# KiCad board st225_20427.kicad_pcb (continued)
## Routing (per net, layer and track width the routed paths; a pad name or vN(x,y) marks a point on that pad's centre or on a via; arc(x,y) is an arc through that point) (continued)
/Analog and Interface/RDDATA: length 162.3
  Top w0.254: v1(23.62,135.38) 23.62,134.75 24.51,133.86 U24.11 ; v1(105.54,118.24) 104.39,118.24 101.85,120.78 100.33,120.78 ; v1(51.31,135.38) 50.29,135.38 50.16,135.25 44.2,135.25 v1(42.93,133.99) ; U25.6 131.7,130.94 v1(132.97,129.67) ; JP1.1 121.67,118.24 118.75,118.24 v1(118.36,117.86) ; U8.17 100.33,120.78 ; 100.33,120.78 100.33,123.95 98.55,125.73 v1(94.36,125.73)
  Bottom w0.254: v1(105.54,118.24) 105.66,118.11 117.6,118.11 117.86,117.86 v1(118.36,117.86) ; v1(42.93,133.99) 42.42,133.99 40.89,135.51 40.89,135.64 40.01,136.53 37.72,136.53 35.81,134.62 31.5,134.62 30.1,133.22 28.19,133.22 26.8,134.62 26.8,136.02 26.16,136.65 24.89,136.65 v1(23.62,135.38) ; 122.05,118.75 123.19,117.6 125.73,117.6 129.03,120.9 129.03,123.83 131.57,126.37 133.48,126.37 134.11,127 134.11,128.52 v1(132.97,129.67) ; v1(51.31,135.38) 51.31,133.99 52.07,133.22 53.09,133.22 54.23,132.08 55.12,132.08 55.5,131.7 55.5,130.68 54.99,130.18 54.99,128.52 56.51,127 61.72,127 62.48,126.24 62.48,124.21 68.07,118.62 71.25,118.62 74.29,121.67 86.36,121.67 91.69,116.33 92.84,116.33 95.88,119.38 95.88,124.97 95.12,125.73 v1(94.36,125.73)
/Analog and Interface/RGATE: length 39.1
  Top w0.254: v1(117.86,144.91) 116.59,144.91 115.44,146.05 113.03,146.05 109.29,142.31 U31.10 ; U9.14 100.33,157.73 v1(99.31,158.75)
  Bottom w0.254: v1(99.31,158.75) 100.46,157.61 103.25,157.61 106.55,154.31 109.09,154.31 117.86,145.54 v1(117.86,144.91)
/Analog and Interface/RPULL4: length 36.5
  Top w0.254: v1(117.09,133.99) 118.36,135.25 R79.2 ; 110.11,142.11 112.78,144.78 115.32,144.78 v1(115.19,144.78) ; 110.11,142.11 109.09,141.1 108.24,141.1 ; 110.11,142.11 112.39,139.83 ; U31.5 113.32,139.83 112.39,139.83 ; 112.39,139.83 111.25,139.83 109.98,138.56 109.98,136.27 111.56,134.69 U31.1
  Bottom w0.254: v1(115.19,144.78) 114.17,143.76 114.17,136.91 v1(117.09,133.99)
/Analog and Interface/RPULLUP3: length 30.3
  Top w0.254: 107.19,125.73 U30.13 110.36,125.73 111.63,124.46 U30.1 ; 107.19,125.73 107.19,129.41 107.31,129.54 U30.10 ; 107.19,125.73 107.19,120.68 R78.1 ; U30.1 113.41,124.46 115.06,126.11 115.06,128.02 v1(114.81,128.27) U30.4 ; U30.1 113.24,124.12 117.86,120.9 U29.3
/Analog and Interface/SEP_DATA: length 17.5
  Top w0.254: U8.22 105.16,124.84 v1(105.66,125.35) ; v1(111.25,131.44) 111.25,130.43 112.14,129.54 U30.5
  Bottom w0.254: v1(105.66,125.35) 104.27,126.75 104.27,127.51 108.2,131.44 v1(111.25,131.44)
/Analog and Interface/SEPCLK: length 7.5
  Top w0.254: U30.9 107.57,130.81 105.79,129.03 v1(105.79,127.38) U8.24
/Analog and Interface/SYNC_DATA: length 54.4
  Top w0.254: U30.12 110.49,127 111.12,126.37 v1(111.38,126.37) 112.01,125.73 U30.2 ; U9.12 103,153.42 104.27,152.15 v1(104.27,151.77) ; v1(118.75,128.91) 118.11,129.54 U26.10
  Bottom w0.254: 112.78,127.64 112.78,127.89 114.43,129.54 115.44,129.54 116.2,130.3 116.2,133.22 113.41,136.02 113.41,146.18 111.63,147.96 105.79,147.96 104.27,149.48 v1(104.27,151.77) ; 112.78,127.64 113.79,126.62 116.46,126.62 v1(118.75,128.91) ; 112.78,127.64 111.51,126.37 v1(111.38,126.37)
/Analog and Interface/U31_J: length 11.7
  Top w0.254: U26.8 118.11,132.08 v1(118.75,132.72) ; 113.24,136.02 114.05,136.02 115.19,137.16 v1(115.19,137.54)
  Bottom w0.254: v1(118.75,132.72) 118.75,135.51 116.71,137.54 v1(115.19,137.54)
/Analog and Interface/VCO: length 24.8
  Top w0.254: 113.37,138.5 112.09,138.5 v1(111.38,137.8) ; v1(101.6,148.08) 100.34,148.08 U9.8
  Bottom w0.254: v1(101.6,148.08) 101.98,148.46 104.27,148.46 105.66,147.07 111.38,147.07 112.78,145.67 112.78,138.68 111.89,137.8 v1(111.38,137.8)
/Analog and Interface/~{1S_RST}: length 93.7
  Top w0.254: v1(54.61,134.24) 52.45,136.4 49.78,136.4 49.4,136.02 v1(42.29,136.02) ; U24.8 28.32,135 v1(28.07,135.25) ; v1(92.33,117.86) 92.58,117.6 100.84,117.6 101.6,118.36 U8.18
  Bottom w0.254: v1(92.33,117.86) 87.38,122.81 73.79,122.81 70.61,119.63 68.45,119.63 63.42,124.66 63.42,126.95 62.36,128.02 57.02,128.02 56.26,128.78 56.26,130.05 56.77,130.56 56.77,132.21 54.74,134.24 v1(54.61,134.24) ; v1(28.07,135.25) 28.07,135.13 29.08,134.11 30.1,134.11 31.12,135.13 35.43,135.13 37.34,137.03 41.27,137.03 v1(42.29,136.02)
/Analog and Interface/~{LOCKDET}: length 72.6
  Top w0.254: U9.15 99.06,155.19 99.31,154.93 99.32,154.93 v1(99.95,154.31) ; U9.13 102.62,154.69 103.12,155.19 v1(103.12,156.34) ; v1(118.75,130.81) U26.9 116.46,130.81 116.08,130.43 116.08,125.98 116.33,125.73 U26.13 ; v1(106.93,149.23) 106.93,138.81 107.24,138.5 108.37,138.5 U31.14
  Bottom w0.254: v1(118.75,130.81) 121.28,130.81 121.67,131.19 121.67,133.48 116.46,138.68 116.46,145.8 113.03,149.23 109.35,149.23 ; 109.35,149.23 v1(106.93,149.23) ; 109.35,149.23 109.35,152.53 108.2,153.67 106.04,153.67 103.38,156.34 v1(103.12,156.34) 101.98,156.34 v1(99.95,154.31)
/Analog and Interface/~{MFMC}: length 89.1
  Top w0.254: v1(79.76,125.73) 79.76,117.6 79.12,116.97 77.85,116.97 76.58,118.24 76.45,118.24 ; v1(118.36,159.26) 118.24,159.39 U33.16
  Bottom w0.254: v1(79.76,125.73) 81.53,125.73 82.55,124.71 90.81,124.71 91.31,125.22 91.31,132.33 90.81,132.84 90.81,154.31 94.11,157.61 94.11,159.64 96.9,162.43 102.87,162.43 105.16,160.15 109.98,160.15 111,159.13 118.24,159.13 v1(118.36,159.26)
/Analog and Interface/~{RDDATA}: length 41.5
  Top w0.254: 131.15,129.67 130.56,129.67 129.16,131.06 v1(129.16,132.08) ; v1(120.9,137.8) 125.86,137.8 v1(127.13,136.53) ; U33.18 115.7,156.85 115.06,156.21 115.06,156.08 v1(114.55,155.58) 114.17,155.19 112.29,155.19 R6.1
  Bottom w0.254: v1(127.13,136.53) 129.16,134.49 v1(129.16,132.08) ; v1(120.9,137.8) 120.9,144.15 114.55,150.5 v1(114.55,155.58)
/Analog and Interface/~{WGATE2}: length 43.6
  Top w0.254: U33.23 123.19,156.21 121.92,157.48 v1(118.36,157.48) ; v1(124.08,125.98) 125.22,127.13 U25.12
  Bottom w0.254: v1(118.36,157.48) 118.36,147.83 121.54,144.65 121.54,139.06 125.22,135.38 125.22,127.13 v1(124.08,125.98)
/Digital and Stepper/A0: length 28.9
  Top w0.254: U3.10 20.7,99.19 v1(19.18,100.71) ; v1(14.35,85.22) U2.2
  Bottom w0.254: v1(14.35,85.22) 13.21,86.36 13.21,100.84 13.72,101.35 18.54,101.35 v1(19.18,100.71)
/Digital and Stepper/A1: length 27.6
  Top w0.254: v1(19.43,98.55) U3.9 ; U2.5 18.16,85.47 v1(17.4,86.23)
  Bottom w0.254: v1(17.4,86.23) 17.02,86.23 13.72,89.54 13.72,100.2 14.35,100.84 17.27,100.84 19.43,98.68 v1(19.43,98.55)
/Digital and Stepper/A2: length 25.8
  Top w0.254: U3.8 18.16,98.04 v1(17.59,98.62) ; v1(19.43,86.23) U2.6
  Bottom w0.254: v1(19.43,86.23) 17.4,88.27 15.88,88.27 14.22,89.92 14.22,99.82 14.78,100.38 15.82,100.38 v1(17.59,98.62)
/Digital and Stepper/A3: length 23.2
  Top w0.254: v1(15.62,98.55) 16.89,97.28 U3.7 ; v1(23.24,85.22) 23.24,83.44
  Bottom w0.254: v1(15.62,98.55) 15.24,98.17 15.24,94.74 14.86,94.36 14.86,90.17 15.75,89.28 18.92,89.28 22.99,85.22 v1(23.24,85.22)
/Digital and Stepper/A4: length 10.1
  Top w0.254: U3.6 15.62,95.76 16,95.38 21.08,95.38 23.24,93.22 U2.12
/Digital and Stepper/A5: length 7.8
  Top w0.254: U3.5 14.35,95.76 15.37,94.74 18.41,94.74 19.43,93.73 U2.15
/Digital and Stepper/A6: length 7.3
  Top w0.254: U2.16 18.16,93.22 17.27,94.11 15.11,94.11 13.08,96.14 U3.4
/Digital and Stepper/A7: length 5
  Top w0.254: U3.3 11.81,96.01 14.35,93.47 U2.19
/Digital and Stepper/A8: length 55.1
  Top w0.254: U3.25 13.08,107.57 v1(11.68,106.17) ; U1.24 19.94,63.75 18.03,65.66 18.03,68.71 v1(17.27,69.47)
  Bottom w0.254: v1(11.68,106.17) 10.54,105.03 10.54,82.93 12.83,80.65 18.03,80.65 19.56,79.12 19.56,73.66 17.27,71.37 v1(17.27,69.47)
/Digital and Stepper/A9: length 55.6
  Top w0.254: U1.25 21.21,63.75 18.54,66.42 18.54,68.45 19.18,69.09 v1(19.18,69.47) ; U3.24 14.35,106.93 v1(13.59,106.17)
  Bottom w0.254: v1(13.59,106.17) 11.05,103.63 11.05,83.31 12.83,81.53 18.67,81.53 20.19,80.01 20.19,73.41 19.3,72.52 19.3,69.6 v1(19.18,69.47)
/Digital and Stepper/A10: length 61.1
  Top w0.254: U1.26 22.48,63.63 19.43,66.68 v1(19.43,67.44) ; U3.21 v1(18.16,106.17)
  Bottom w0.254: 20.19,70.74 20.19,70.61 ; 20.19,70.74 20.19,72.52 20.7,73.03 20.7,81.03 19.43,82.3 12.83,82.3 11.56,83.57 11.56,103.25 13.34,105.03 14.35,105.03 14.73,105.41 14.73,106.68 15.11,107.06 17.27,107.06 v1(18.16,106.17) ; 20.19,70.74 20.19,68.2 v1(19.43,67.44)
/Digital and Stepper/A11: length 57.1
  Top w0.254: v1(20.95,67.31) 20.95,66.42 23.75,63.63 U1.27 ; U3.23 15.62,106.05 v1(16.13,105.54)
  Bottom w0.254: v1(16.13,105.54) 16.13,105.03 15.37,104.27 13.84,104.27 12.06,102.49 12.06,84.2 13.34,82.93 19.81,82.93 21.34,81.41 21.34,72.77 20.7,72.14 20.7,67.56 v1(20.95,67.31)
/Digital and Stepper/A12: length 59.9
  Top w0.254: v1(15.62,102.49) 14.48,102.49 10.54,98.55 U3.2 ; v1(22.48,68.2) 22.48,66.29 25.02,63.75 U1.28
  Bottom w0.254: v1(22.48,68.2) 21.21,69.47 21.21,71.63 21.84,72.26 21.84,81.92 20.19,83.57 13.84,83.57 12.7,84.71 12.7,101.47 13.72,102.49 v1(15.62,102.49)
/Digital and Stepper/CLK_4M0: length 7.5
  Top w0.254: U23.12 23.24,118.75 v1(23.75,118.24) 24.38,118.87 27.69,118.87 28.32,119.51 U23.8
/Digital and Stepper/CLK_20M0: length 37.8
  Top w0.254: U23.6 v1(27.05,116.97) ; U24.3 23.24,129.41 23.11,129.54 v1(23.11,130.43)
  Bottom w0.254: X1.8 9.52,133.73 16.13,133.73 16.89,132.97 20.57,132.97 v1(23.11,130.43) 21.21,128.52 21.21,122.81 v1(27.05,116.97)
/Digital and Stepper/INDEX_O: length 48.1
  Top w0.254: U4.6 41.66,104.39 v1(42.42,105.16) ; U21.39 v1(70.87,109.35) ; v1(42.8,97.92) 43.31,98.43 50.16,98.43 50.29,98.55 51.05,97.79 60.71,97.79 v1(61.09,97.41)
  Bottom w0.254: v1(42.42,105.16) 42.04,104.78 42.04,98.68 v1(42.8,97.92) ; v1(70.87,109.35) 70.87,108.84 61.09,99.06 v1(61.09,97.41)
/Digital and Stepper/PHASE1: length 67
  Top w0.254: J6.1 78.68,194.94 80.52,193.1 80.52,183.52 79.76,182.75 79.76,181.1 77.6,178.94 77.6,171.7 77.98,171.32 79.63,171.32 80.52,170.43 80.52,168.66 81.89,167.29 R33.2
  Top w0.508: R21.1 52.1,186.46 54.61,188.98 57.79,188.98 58.19,188.57 R12.1 58.42,186.56 v1(60.07,188.21)
  Bottom w0.508: v1(60.07,188.21) 61.6,189.74 70.74,189.74 75.94,194.94 J6.1
/Digital and Stepper/PHASE2: length 28.4
  Top w0.254: R34.2 78.46,169.7 76.96,171.2 76.96,181.1 77.6,181.74 v1(78.36,181.74)
  Bottom w0.254: v1(78.36,181.74) 77.09,183.01 77.09,188.21 77.47,188.6 79.5,188.6 79.88,188.98 79.88,190.88 J6.2
  vias: v1(67.69,181.23) v1(74.55,173.74)
/Digital and Stepper/PHASE3: length 53.8
  Top w0.254: 76.2,181.99 77.34,183.13 79.12,183.13 79.88,183.9 79.88,188.72 78.75,189.86 J6.3
  Top w0.508: R35.2 76.07,170.46 76.07,181.86 76.2,181.99
  Bottom w1.016: v1(63.25,171.58) v1(63.25,181.86) 63.37,181.86 67.18,185.67 74.17,185.67 75.95,187.45 75.95,189.36 76.45,189.86 J6.3
/Digital and Stepper/PHASE4: length 38.9
  Top w0.508: R57.2 72.01,171.96 v1(72.14,172.09)
  Bottom w0.508: v1(46.61,197.61) 51.31,197.61 53.34,195.58 53.34,189.74 56.9,186.18 60.58,186.18 62.36,187.96 v1(74.17,187.96)
  vias: v1(73.41,181.1)
/Digital and Stepper/PORT_CE: length 81.1
  Top w0.254: v1(34.54,70.87) 27.94,64.26 U1.29 ; v1(36.96,126.49) 37.21,126.75 U13.5
  Bottom w0.254: v1(34.54,70.87) 34.67,70.74 40.77,70.74 46.48,76.45 46.48,79.5 41.15,84.84 41.15,88.14 39.24,90.04 39.24,113.79 36.96,116.08 v1(36.96,126.49)
/Digital and Stepper/SRAM_CE: length 64
  Top w0.254: v1(17.78,73.28) 18.29,73.79 24.64,73.79 25.02,73.41 25.02,65.9 25.39,65.53 U1.30 ; v1(12.45,109.98) 11.81,109.35 U3.26
  Bottom w0.254: v1(17.78,73.28) 19.05,74.55 19.05,78.74 17.78,80.01 12.7,80.01 10.03,82.68 10.03,107.57 v1(12.45,109.98)
/Digital and Stepper/STEP_CLK: length 127.9
  Top w0.254: v1(23.62,69.6) 23.62,71.12 22.86,71.88 21.21,71.88 20.7,71.37 16,71.37 13.97,69.34 U1.13 ; v1(56.9,142.88) 57.02,143 58.8,143 U10.9
  Bottom w0.254: v1(23.62,69.6) 23.88,69.34 27.94,69.34 29.21,70.61 30.61,70.61 31.75,69.47 42.04,69.47 47.62,75.06 47.62,81.03 45.85,82.8 45.85,90.93 46.48,91.57 46.48,92.84 45.59,93.73 45.59,98.43 43.94,100.08 43.94,102.11 44.7,102.87 44.7,107.7 43.94,108.46 43.94,110.11 43.18,110.87 43.18,115.32 43.69,115.82 43.69,116.59 46.86,119.76 46.86,140.08 51.05,144.27 55.5,144.27 v1(56.9,142.88)
/Digital and Stepper/STEP_DIR: length 130.5
  Top w0.254: v1(60.71,145.54) 61.85,145.54 62.61,144.78 U10.12 ; v1(22.23,70.74) 16.89,70.74 11.68,65.53 U1.16
  Bottom w0.254: v1(60.71,145.54) 59.44,144.27 57.91,144.27 57.28,144.91 50.55,144.91 46.23,140.59 46.23,120.02 43.05,116.84 43.05,116.21 42.67,115.82 42.67,110.24 43.43,109.47 43.43,107.7 44.07,107.06 44.07,103.25 43.31,102.49 43.31,99.95 44.96,98.3 44.96,93.47 45.59,92.84 45.59,91.57 45.21,91.19 45.21,81.79 46.99,80.01 46.99,75.82 41.27,70.1 35.18,70.1 35.05,69.98 32.38,69.98 31.24,71.12 28.07,71.12 27.69,70.74 v1(22.23,70.74)
/Digital and Stepper/STEP_OIC: length 156.3
  Top w0.254: v1(44.58,92.33) 44.83,92.08 v1(54.23,92.08) ; v1(13.34,59.94) 11.81,59.94 10.54,61.21 10.54,64 U1.17 ; v1(59.05,145.67) 60.07,144.65 U10.10
  Bottom w0.254: v1(44.58,92.33) 44.32,92.58 44.32,98.17 42.8,99.7 42.8,102.87 43.56,103.63 43.56,106.43 42.67,107.32 42.67,109.09 42.16,109.6 42.16,116.08 42.54,116.46 42.54,117.22 45.72,120.4 45.72,140.97 50.42,145.67 v1(59.05,145.67) ; v1(13.34,59.94) 13.84,60.45 24.77,60.45 26.54,62.23 52.83,62.23 54.23,63.63 v1(54.23,92.08)
/Digital and Stepper/STEPPER_ON: length 19.5
  Top w0.254: U10.8 55.88,145.42 55.75,145.29 55.75,142.88 ; 55.75,142.88 55.75,142.24 56.51,141.48 61.6,141.48 61.85,141.22 65.56,141.22 R63.1 ; 55.75,142.88 v1(54.36,142.88)
/Digital and Stepper/UNK_OUT_1: length 57.6
  Top w0.254: v1(60.07,123.83) 59.44,124.46 U21.19 ; U4.2 40.51,99.31 41.4,98.43 41.4,97.16 42.04,96.52 43.56,96.52 44.83,97.79 49.15,97.79 50.16,96.77 v1(56.64,96.77)
  Bottom w0.254: v1(56.64,96.77) 56.64,98.04 66.68,108.08 66.68,117.22 v1(60.07,123.83)
/Digital and Stepper/~{PSEN}: length 82.2
  Top w0.254: v1(33.02,71.5) 30.48,71.5 27.05,68.07 26.02,68.07 ; U13.1 32.13,126.87 v1(32.51,126.49)
  Bottom w0.254: v1(33.02,71.5) 33.66,72.14 34.8,72.14 35.56,71.37 40.01,71.37 45.85,77.22 45.85,79.38 40.26,84.96 40.26,88.01 38.61,89.66 38.61,113.54 36.32,115.82 36.32,124.46 35.69,125.1 33.91,125.1 v1(32.51,126.49)
/Digital and Stepper/~{WRT_OK}: length 148
  Top w0.254: v1(41.27,123.19) 39.75,121.67 39.75,120.1 ; v1(6.35,58.04) 7.37,58.04 8.89,59.56 8.89,67.31 9.65,68.07 U1.14
  Bottom w0.254: v1(41.27,123.19) 42.42,124.33 42.42,128.27 41.91,128.78 41.91,131.19 40.26,132.84 34.8,132.84 33.66,133.99 31.5,133.99 30.1,132.59 30.1,130.56 29.46,129.92 28.57,129.92 25.65,132.84 24,132.84 22.1,134.75 17.53,134.75 16.76,135.51 7.24,135.51 3.94,132.21 3.94,112.78 5.21,111.51 5.21,93.34 6.35,92.2 6.35,73.41 8.25,71.5 8.25,59.94 v1(6.35,58.04)
/SCSI/ACK: length 64.5
  Top w0.254: U6.43 37.72,38.23 v1(40.26,40.77) ; U11.18 68.45,22.23 v1(68.58,22.35)
  Bottom w0.254: v1(40.26,40.77) 41.4,39.62 43.43,39.62 44.96,41.15 44.96,41.66 46.86,43.56 48.64,43.56 50.42,41.78 58.17,41.78 61.6,38.35 61.6,35.69 62.74,34.54 62.74,33.27 64.01,32 64.01,28.7 63.12,27.81 63.12,24.64 63.5,24.26 64.9,24.26 66.68,26.04 66.68,27.69 67.56,28.58 69.34,28.58 70.23,27.69 70.23,24 v1(68.58,22.35)
/SCSI/BOE: length 28.7
  Top w0.254: v1(36.45,130.43) 37.21,131.19 U13.10 ; v1(41.02,116.97) 41.02,114.55 40.39,113.92 38.99,113.92 38.48,114.43 38.48,115.1
  Bottom w0.254: v1(36.45,130.43) 37.21,129.67 39.12,129.67 41.15,127.64 41.15,125.73 40.26,124.84 38.99,124.84 38.61,124.46 38.61,120.27 41.02,117.86 v1(41.02,116.97)
/SCSI/BSY: length 40.6
  Top w0.254: v1(62.87,30.61) 61.47,30.61 60.2,31.88 58.67,31.88 57.28,30.48 v1(56.01,30.48) ; U6.35 43.82,29.97 v1(45.21,31.37) ; U11.14 v1(68.71,27.31)
  Bottom w0.254: v1(62.87,30.61) 62.48,30.23 62.48,24 63.12,23.37 64.77,23.37 v1(68.71,27.31) ; v1(45.21,31.37) 48.39,28.19 53.47,28.19 55.75,30.48 v1(56.01,30.48)
/SCSI/BSYO: length 44.2
  Top w0.254: v1(40.64,31.24) 40.64,30.35 41.4,29.59 41.4,29.34 42.04,28.7 U6.34 ; v1(58.42,35.31) 58.42,33.87 U16.2 U16.1 ; U15.1 59.56,26.54 v1(59.69,26.67)
  Bottom w0.254: v1(40.64,31.24) 40.64,32.51 41.78,33.66 41.78,36.96 42.67,37.85 46.99,37.85 48.39,39.24 55.12,39.24 58.42,35.94 v1(58.42,35.31) 57.79,34.67 57.79,28.58 v1(59.69,26.67)
/SCSI/CLKA: length 52.3
  Top w0.254: U6.16 v1(29.08,23.62) ; U5.3 29.72,52.2 v1(29.21,51.69)
  Bottom w0.254: v1(29.08,23.62) 28.57,23.11 19.18,23.11 18.16,24.13 18.16,30.35 20.95,33.15 22.1,33.15 23.49,34.54 23.49,40.51 22.86,41.15 22.86,48.01 27.05,52.2 28.7,52.2 v1(29.21,51.69)
/SCSI/C~{D}: length 31
  Top w0.254: U15.6 53.21,23.75 v1(52.71,23.24)
  Bottom w0.254: J8.46 36.89,8.26 41.4,8.26 41.91,8.76 41.91,13.46 43.05,14.61 46.61,14.61 47.88,15.88 49.39,15.88 RN3.4 51.56,18.04 51.56,22.1 v1(52.71,23.24)
/SCSI/IO: length 56.5
  Top w0.254: v1(38.35,60.33) 38.35,58.8 34.29,54.74 U5.5 ; v1(52.07,30.61) 53.21,29.46 U16.9 ; v1(53.34,56.77) 53.34,53.72 51.18,51.56 51.18,36.32 v1(50.42,35.56)
  Bottom w0.254: v1(52.07,30.61) 52.07,33.91 v1(50.42,35.56) ; v1(53.34,56.77) 53.34,57.91 50.93,60.33 v1(38.35,60.33)
/SCSI/I~{O}: length 31.5
  Bottom w0.254: v1(51.43,26.67) 51.43,25.65 50.29,24.51 50.29,21.85 RN3.2 44.31,15.88 41.4,15.88 39.12,13.59 32.26,13.59 31.75,13.08 31.75,10.86 J8.50
/SCSI/LO: length 69
  Top w0.254: v1(96.65,46.36) 97.92,47.62 98.68,47.62 ; U6.42 38.99,37.85 41.27,40.13 v1(41.27,43.94)
  Bottom w0.254: v1(41.27,43.94) 43.69,43.94 44.83,45.09 48.9,45.09 51.05,42.93 93.22,42.93 v1(96.65,46.36)
/SCSI/MSG: length 76.9
  Top w0.254: v1(48.39,41.28) 50.04,42.93 50.04,57.91 v1(50.16,58.04) ; v1(55.24,21.34) 56.39,21.34 57.02,20.7 U15.12 ; U5.7 31.61,57.52 v1(34.54,60.45)
  Bottom w0.254: v1(48.39,41.28) 48.9,40.77 57.02,40.77 60.58,37.21 60.58,31.24 60.83,30.99 60.83,28.7 61.34,28.19 61.34,25.27 60.58,24.51 55.75,24.51 55.24,24 v1(55.24,21.34) ; v1(50.16,58.04) 49.4,58.8 36.2,58.8 v1(34.54,60.45)
/SCSI/PA_REQ: length 51.6
  Top w0.254: v1(27.3,50.93) 27.3,52.32 28.45,53.47 U5.4 ; U6.15 28.45,24.89 v1(29.08,25.53)
  Bottom w0.254: v1(29.08,25.53) 27.18,25.53 26.03,24.38 19.69,24.38 19.05,25.02 19.05,30.23 20.19,31.37 22.99,31.37 24.13,32.51 24.13,41.53 23.62,42.04 23.62,47.62 26.92,50.93 v1(27.3,50.93)
/SCSI/PARITY: length 14.6
  Bottom w0.254: J8.18 72.39,10.86 72.39,13.08 73.15,13.84 74.93,13.84 75.56,14.48 76.96,14.48 77.6,15.11 79.11,15.11 RN2.7
/SCSI/REQ: length 44.1
  Top w0.254: U6.44 36.45,38.86 40.01,42.42 v1(40.01,42.67) ; v1(59.56,30.73) 58.29,30.73 57.02,29.46 U16.12
  Bottom w0.254: v1(40.01,42.67) 38.86,41.53 38.86,40.13 40.01,38.99 46.61,38.99 47.88,40.26 56.51,40.26 59.94,36.83 59.94,31.12 v1(59.56,30.73)
/SCSI/SA0: length 17.8
  Top w0.254: U7.8 23.4,30.01 23.62,30.23 23.62,35.05 26.8,38.23 32.26,38.23 32.64,37.85 U6.3
/SCSI/SA1: length 16.7
  Top w0.254: v1(30.48,34.42) 31.37,35.31 U6.4 ; v1(20.57,29.34) 21.17,28.74 U7.7
  Bottom w0.254: v1(30.48,34.42) 28.57,34.42 23.49,29.34 v1(20.57,29.34)
/SCSI/SA2: length 17.7
  Top w0.254: v1(20.57,27.43) 22.48,27.43 U7.6 ; v1(29.84,32.51) 29.84,33.53 29.59,33.78 29.59,34.8 30.1,35.31 U6.5
  Bottom w0.254: v1(20.57,27.43) 23.37,27.43 28.45,32.51 v1(29.84,32.51)
/SCSI/SA3: length 19.3
  Top w0.254: U6.6 28.83,32 29.21,31.62 v1(29.21,30.73) ; U7.5 21.12,26.2 v1(20.45,25.53)
  Bottom w0.254: v1(29.21,30.73) 24.13,25.65 20.57,25.65 v1(20.45,25.53)
/SCSI/SA4: length 13.5
  Top w0.254: U6.7 25.65,35.05 24.13,33.53 24.13,28.45 23.62,27.94 23.62,25.27 23.28,24.93 U7.4
/SCSI/SA5: length 13.5
  Top w0.254: U7.3 23.78,23.66 24.26,24.13 24.26,26.92 24.77,27.43 24.77,32.39 26.16,33.78 U6.8
/SCSI/SA6: length 13.8
  Top w0.254: U6.9 26.16,32.51 25.4,31.75 25.4,27.18 24.77,26.54 24.77,22.99 24.16,22.39 U7.2
/SCSI/SA7: length 13.8
  Top w0.254: U6.10 26.54,31.24 25.91,30.61 25.91,26.67 25.4,26.16 25.4,21.97 24.55,21.12 U7.1
/SCSI/SA8: length 31.5
  Top w0.254: v1(16.64,21.72) 14.1,21.72 13.43,22.39 U7.23 ; v1(31.12,24.26) 31.88,25.02 31.88,28.19 30.73,29.34 28.7,29.34 28.07,29.97 U6.11
  Bottom w0.254: v1(16.64,21.72) 30.35,21.72 31.12,22.48 v1(31.12,24.26)
/SCSI/SA9: length 28.6
  Top w0.254: U7.22 11.55,23.62 14.6,23.62 v1(15.24,22.99) ; U6.12 30.1,28.7 30.73,28.07 v1(30.73,26.16)
  Bottom w0.254: v1(15.24,22.99) 15.37,23.11 17.4,23.11 18.16,22.35 29.59,22.35 30.1,22.86 30.1,25.53 v1(30.73,26.16)
/SCSI/SD0: length 52.8
  Top w0.254: U12.11 82.04,31.12 81.53,30.61 81.53,19.05 82.55,18.03 82.55,11.43 83.19,10.8 84.58,10.8 85.09,10.29 v1(85.09,8) ; RN1.7 102.11,19.17 U17.11
  Bottom w0.254: RN1.7 104.13,16.88 99.44,12.19 95.25,12.19 92.65,9.59 J8.2 89.85,8 v1(85.09,8)
/SCSI/SD1: length 91.5
  Top w0.254: v1(103,22.99) 103.38,23.37 103.38,24.73 ; U12.13 84.96,28.58 90.04,33.66 94.23,33.66 96.27,31.62 96.27,24.51 v1(97.16,23.62)
  Bottom w0.254: RN1.6 101.6,17.14 101.6,15.75 98.68,12.83 94.62,12.83 92.71,10.92 90.23,10.92 J8.4 ; RN1.6 101.59,17.66 99.69,19.56 99.69,22.73 98.81,23.62 v1(97.16,23.62) ; RN1.6 103.37,18.92 108.2,18.92 109.85,20.57 109.85,31.62 108.58,32.89 107.31,32.89 106.93,32.51 106.93,23.5 105.16,21.72 103.76,21.72 103.12,22.35 103.12,22.86 v1(103,22.99)
/SCSI/SD2: length 57.5
  Top w0.254: 99.57,24.73 99.57,24.26 97.03,21.72 97.03,20.45 ; 97.03,20.45 97.03,19.17 RN1.5 ; 97.03,20.45 96.27,20.45 95.76,20.96 95.76,31.24 94.11,32.89 90.42,32.89 86.36,28.83 86.36,26.8 85.6,26.04 82.8,26.04
  Bottom w0.254: J8.6 87.63,10.86 87.63,13.08 88.01,13.46 97.92,13.46 99.06,14.61 99.06,17.14 RN1.5
/SCSI/SD3: length 58.7
  Top w0.254: RN1.4 95.25,18.41 95.25,30.86 93.98,32.13 90.42,32.13 87.25,28.96 87.25,26.04 86.23,25.02 86.23,24.13 85.6,23.5 U12.17 ; 98.3,19.73 98.3,21.59 v1(98.42,21.72)
  Bottom w0.254: J8.8 85.09,10.86 85.09,13.08 86.11,14.1 95.38,14.1 96.52,15.24 96.52,17.14 RN1.4 98.42,19.06 v1(98.42,21.72)
/SCSI/SD4: length 55.7
  Top w0.254: 103.38,33.62 103.38,32.51 v1(102.87,32) ; RN1.3 94.74,17.92 94.74,26.42 92.58,28.58 U12.8
  Bottom w0.254: J8.10 82.55,10.86 82.55,13.08 83.19,13.72 84.84,13.72 85.85,14.73 92.84,14.73 93.97,15.87 RN1.3 96.9,20.08 96.9,22.1 96.01,22.99 96.01,24.26 96.77,25.02 102.23,25.02 103.5,26.29 103.5,31.37 v1(102.87,32)
/SCSI/SD5: length 46.4
  Top w0.254: U18.11 102.11,30.35 v1(102.23,30.48) ; RN1.2 90.68,17.9 90.68,20.32 91.31,20.96 U12.2
  Bottom w0.254: v1(102.23,30.48) 102.23,26.92 100.97,25.65 96.52,25.65 95.25,24.38 95.25,22.73 96.14,21.84 96.14,20.32 94.49,18.67 92.95,18.67 RN1.2 89.65,15.37 85.47,15.37 84.58,14.48 81.41,14.48 80.01,13.08 80.01,10.86 J8.12
/SCSI/SD6: length 63.7
  Top w0.254: 98.3,28.62 v1(98.3,26.8) ; U12.4 93.47,23.5 v1(93.6,23.62)
  Bottom w0.254: v1(98.3,26.8) 96.77,26.8 v1(93.6,23.62) 95.25,21.97 95.25,20.19 94.36,19.3 88.65,19.3 84.33,14.99 80.9,14.99 79.63,13.72 78.1,13.72 77.47,13.08 77.47,10.86 J8.14 74.61,8 73.15,8 72.52,7.37 68.33,7.37 67.31,8.38 67.31,13.08 67.94,13.72 69.47,13.72 70.23,14.48 72.01,14.48 72.52,14.99 73.79,14.99 76.07,17.27 RN2.5
/SCSI/SD7: length 65.4
  Top w0.254: v1(93.6,25.65) 93.22,26.04 92.2,26.04 ; 99.57,33.62 99.57,32.89 v1(98.42,31.75)
  Bottom w0.254: v1(98.42,31.75) 93.6,26.92 v1(93.6,25.65) 92.58,24.64 92.58,22.86 93.22,22.23 94.11,22.23 94.74,21.59 94.74,20.57 94.11,19.94 88.52,19.94 84.2,15.62 80.65,15.62 79.5,14.48 77.85,14.48 77.09,13.72 75.69,13.72 74.93,12.95 74.93,10.86 J8.16 72.2,8.13 70.36,8.13 69.85,8.64 69.85,13.08 70.61,13.84 72.26,13.84 72.9,14.48 74.55,14.48 75.18,15.11 76.57,15.11 RN2.6
/SCSI/SDB0: length 175.4
  Top w0.254: U5.28 15.62,43.31 ; 15.62,43.31 v1(14.86,43.31) ; 15.62,43.31 16.38,43.31 16.38,35.69 20.79,31.28 U7.9 ; v1(106.04,38.23) 106.55,38.74 U19.3 ; v1(93.98,28.7) 92.84,29.84 U12.9
  Bottom w0.254: v1(14.86,43.31) 10.92,43.31 9.02,45.21 9.02,47.75 10.8,49.53 10.8,52.58 14.73,56.52 14.73,58.04 16.26,59.56 32.64,59.56 34.8,57.4 47.24,57.4 49.91,54.74 55.5,54.74 56.13,54.1 63.37,54.1 65.28,52.2 69.72,52.2 70.36,52.83 101.35,52.83 105.79,48.39 107.31,48.39 108.71,46.99 108.71,40.89 v1(106.04,38.23) 105.28,38.99 100.2,38.99 92.2,30.99 92.2,30.48 v1(93.98,28.7)
/SCSI/SDB1: length 172.9
  Top w0.254: v1(16.51,58.17) 16.51,56.4 U5.18 14.99,56.01 14.48,55.5 11.94,55.5 10.54,54.1 10.54,51.69 8.51,49.66 v1(8.51,43.43) ; U12.7 v1(90.3,27.31) ; v1(17.4,39.5) 17.78,39.12 17.78,35.56 20.79,32.55 22.52,32.55 ; v1(106.04,40.01) U19.4
  Bottom w0.254: v1(90.3,27.31) 90.3,29.84 100.2,39.75 105.79,39.75 v1(106.04,40.01) 108.08,42.04 108.08,46.48 106.93,47.62 105.28,47.62 100.97,51.94 72.01,51.94 71.63,51.56 62.87,51.56 61.09,53.34 55.88,53.34 54.99,54.23 49.15,54.23 46.48,56.9 34.54,56.9 32.38,59.06 17.4,59.06 v1(16.51,58.17) ; v1(17.4,39.5) 12.19,39.5 8.51,43.18 v1(8.51,43.43)
/SCSI/SDB2: length 157
  Top w0.254: v1(90.17,23.62) 91.31,24.77 U12.5 ; v1(54.48,51.94) 54.48,51.31 53.21,50.04 53.21,47.12 v1(52.71,46.61) ; U7.11 21.3,33.82 19.18,35.94 v1(19.18,37.47) ; v1(106.04,43.94) 106.17,43.82 U19.7 ; v1(19.05,44.58) U5.27
  Bottom w0.254: v1(19.18,37.47) 18.67,37.97 18.67,44.2 v1(19.05,44.58) 20.32,45.85 20.32,48.64 26.16,54.48 30.61,54.48 33.27,51.82 43.18,51.82 47.12,47.88 51.43,47.88 v1(52.71,46.61) ; v1(90.17,23.62) 88.77,25.02 88.77,29.08 100.08,40.39 102.49,40.39 v1(106.04,43.94) 107.31,45.21 107.31,46.36 106.55,47.12 104.39,47.12 100.33,51.18 73.15,51.18 72.26,50.29 56.13,50.29 v1(54.48,51.94)